# Altium PCB GridSeed_Rev03.PcbDoc (part 2 of 5) (continued)
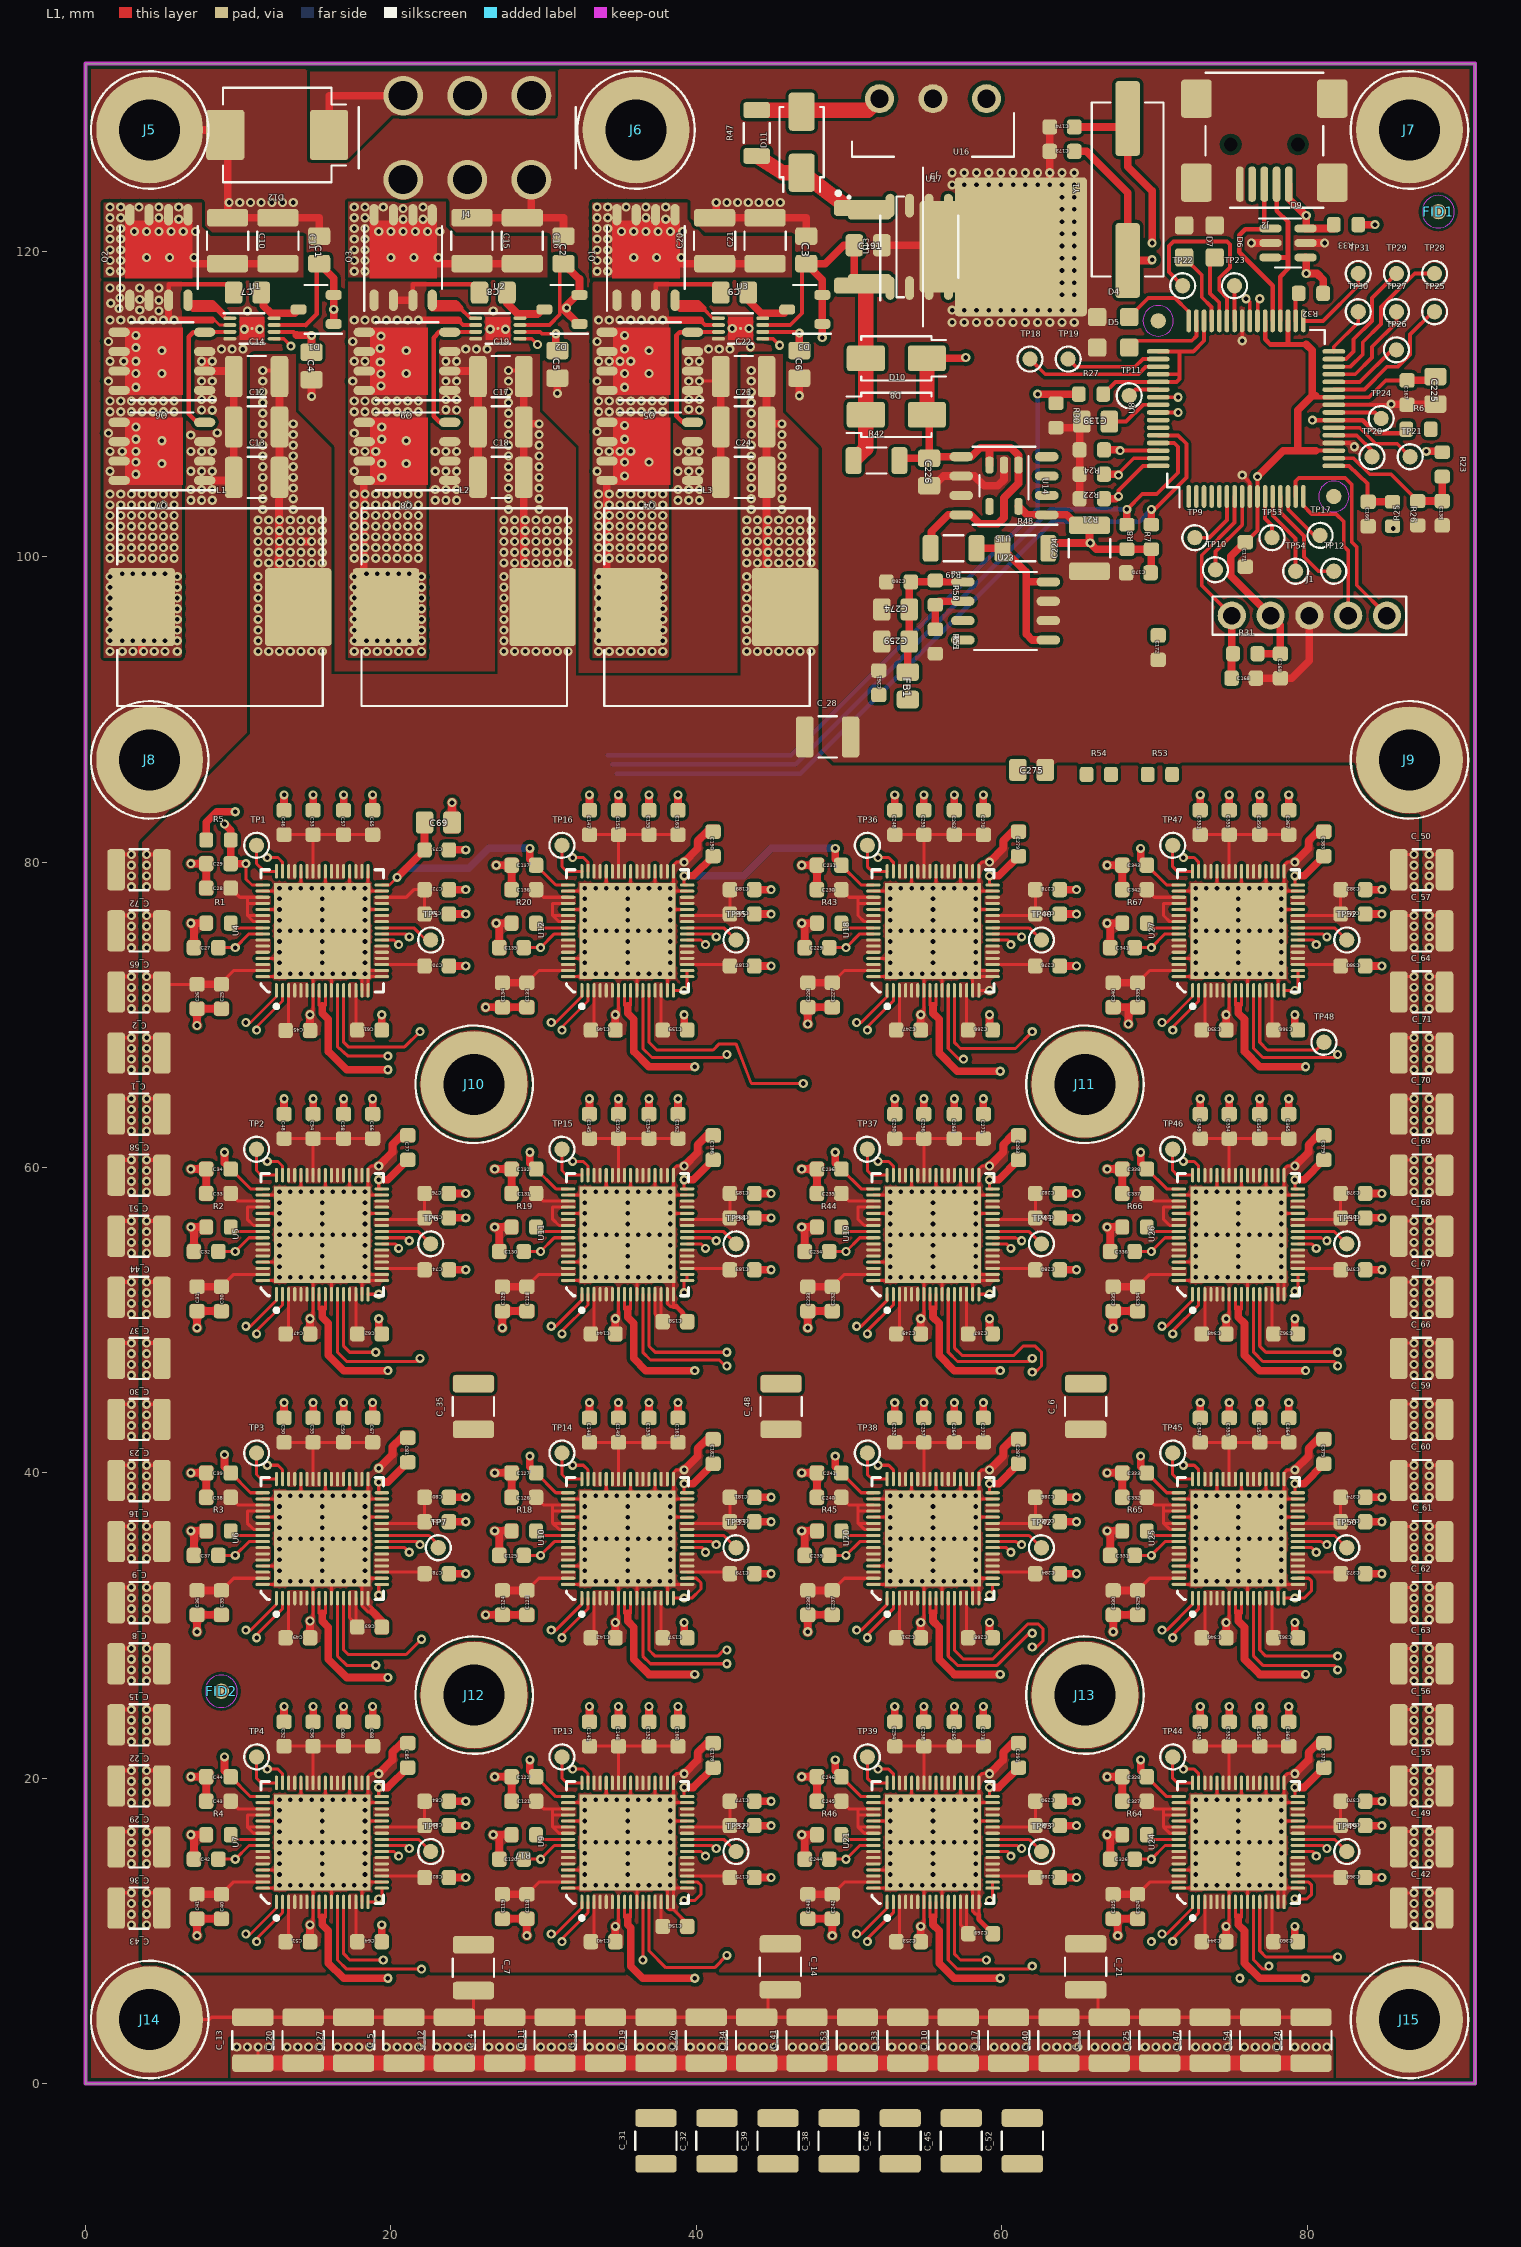
[diagram p0: L1 view]
## Nets (pads, with @x,y where several pads share a name; then routed paths per layer and width w, separated by ;. In a path a pad name is that pad's centre, name@x,y a point inside that pad or via, vN(x,y) a via of type N, cw(c..) or ccw(c..) an arc to the next point about the centre after c; other vN are vias at no path point) (continued)
  L1 w0.2: C_2.1@5,71.927 5.073,72 C26.2@7.3,72 ; C25.2@8.8,72 8.85,72.05 9.7,72.9 U4.63@11.6,72.9 ; C40.2@8.872,12.4 9.672,13.2 U7.63@11.6,13.2 ; C35.2@8.9,32.3 9.7,33.1 U6.63@11.6,33.1 ; C30.2@8.9,52.2 9.7,53 U5.63@11.6,53 ; C43.2@9.5,18.5 10,18 U7.51@11.6,18 ; C38.2@9.5,38.4 10,37.9 U6.51@11.6,37.9 ; C33.2@9.5,58.3 10,57.8 U5.51@11.6,57.8 ; C28.2@9.5,78.3 10.1,77.7 10.591,77.7 ; 10.6,16.8 U7.54@11.6,16.8 ; C_13.1@11.3,1.35 v1(11.3,2.4) ; U7.55@11.6,16.4 11,16.4 10.591,16.809 10.591,17.6 U7.52@11.6,17.6 ; U6.55@11.6,36.3 11,36.3 10.591,36.709 10.591,37.5 U6.52@11.6,37.5 ; U5.55@11.6,56.2 11,56.2 10.591,56.609 10.591,57.4 U5.52@11.6,57.4 ; U4.55@11.6,76.1 11,76.1 10.6,76.5 ; U4.54@11.6,76.5 10.6,76.5 ; U4.52@11.6,77.3 10.591,77.3 ; U4.51@11.6,77.7 10.591,77.7 ; C52.2@13,22.1 C56.2@14.9,22.1 ; C50.2@13,42 C55.2@14.9,42 ; C48.2@13,61.9 C54.2@14.9,61.9 ; C46.2@13,81.8 C53.2@14.9,81.8 ; C51.2@13.1,9.3 13.2,9.3 13.3,9.2 U7.3@13.3,11.9 ; C49.2@13.1,29.2 13.2,29.2 13.3,29.1 U6.3@13.3,31.8 ; C47.2@13.1,49.1 13.2,49.1 13.3,49 U5.3@13.3,51.7 ; C45.2@13.1,68.977 13.3,68.977 U4.3@13.3,71.6 ; U7.42@14.9,19.7 C56.2@14.9,22.1 ; U6.42@14.9,39.6 C55.2@14.9,42 ; U5.42@14.9,59.5 C54.2@14.9,61.9 ; U4.42@14.9,79.4 C53.2@14.9,81.8 ; U6.13@17.3,31.8 17.3,30.5 C63.2@17.7,30.1 ; U7.14@17.7,11.9 17.7,9.3 C64.2@17.8,9.3 ; U6.14@17.7,31.8 C63.2@17.7,30.1 ; U5.14@17.7,51.7 17.7,49.1 C62.2@17.8,49.1 ; U4.14@17.7,71.6 17.7,69 C61.2@17.8,69 ; C63.2@17.8,29.9 17.7,30 C63.2@17.7,30.1 ; C68.2@18.8,22.1 C60.2@16.9,22.1 C56.2@14.9,22.1 ; C67.2@18.8,42 C55.2@14.9,42 ; C66.2@18.8,61.9 C58.2@16.9,61.9 C54.2@14.9,61.9 ; C65.2@18.8,81.8 C57.2@16.9,81.8 C53.2@14.9,81.8 ; U7.19@19.4,13.6 22.1,13.6 C82.2@22.2,13.5 ; U7.27@19.4,16.8 22.2,16.8 C83.2@22.2,16.9 C84.2@22.2,18.5 ; U6.19@19.4,33.5 22.4,33.5 C78.2@22.2,33.4 ; U6.27@19.4,36.7 22.2,36.7 C79.2@22.2,36.8 C80.2@22.2,38.4 ; U5.19@19.4,53.4 22.4,53.4 C74.2@22.2,53.3 ; U5.27@19.4,56.6 22.2,56.6 C75.2@22.2,56.7 C76.2@22.2,58.3 ; U4.19@19.4,73.3 22.4,73.3 C70.2@22.2,73.2 ; U4.30@19.4,77.7 21,77.7 21.5,78.2 C72.2@22.2,78.2 C71.2@22.2,76.6 ; C118.2@28.9,12.4 29.7,13.2 U9.63@31.6,13.2 ; C123.2@28.9,32.3 29.7,33.1 U10.63@31.6,33.1 ; C128.2@28.9,52.2 29.7,53 U11.63@31.6,53 ; C133.2@28.9,72.1 29.7,72.9 U12.63@31.6,72.9 ; C121.2@29.5,18.5 30,18 30.591,18 ; C126.2@29.5,38.4 30,37.9 30.591,37.9 ; C131.2@29.5,58.3 30,57.8 U11.51@31.6,57.8 ; C136.2@29.5,78.2 30,77.7 U12.51@31.6,77.7 ; 30.6,16.8 U9.54@31.6,16.8 ; 30.6,36.7 U10.54@31.6,36.7 ; U9.55@31.6,16.4 31,16.4 30.591,16.809 30.591,17.6 ; U9.52@31.6,17.6 30.591,17.6 ; U9.51@31.6,18 30.591,18 ; U10.55@31.6,36.3 31,36.3 30.591,36.709 30.591,37.5 ; U10.52@31.6,37.5 30.591,37.5 ; U10.51@31.6,37.9 30.591,37.9 ; U11.55@31.6,56.2 31,56.2 30.591,56.609 30.591,57.4 U11.52@31.6,57.4 ; U12.55@31.6,76.1 31,76.1 30.6,76.5 ; U12.54@31.6,76.5 30.6,76.5 ; U12.52@31.6,77.3 30.591,77.3 30.591,76.509 30.6,76.5 ; C141.2@33,22.1 C148.2@34.9,22.1 ; C143.2@33,42 C149.2@34.9,42 ; C145.2@33,61.9 C150.2@34.9,61.9 ; C147.2@33,81.8 C151.2@34.9,81.8 ; C140.2@33.1,9.3 33.2,9.3 33.3,9.2 U9.3@33.3,11.9 ; C142.2@33.1,29.2 33.2,29.2 33.3,29.1 U10.3@33.3,31.8 ; C144.2@33.1,49.1 33.2,49.1 33.3,49 U11.3@33.3,51.7 ; C146.2@33.1,69 33.2,69 33.3,68.9 U12.3@33.3,71.6 ; U9.42@34.9,19.7 C148.2@34.9,22.1 ; U10.42@34.9,39.6 C149.2@34.9,42 ; U11.42@34.9,59.5 C150.2@34.9,61.9 ; U12.42@34.9,79.4 C151.2@34.9,81.8 ; U11.13@37.3,51.7 37.3,50.4 C158.2@37.7,50 ; U9.14@37.7,11.9 37.7,10.296 37.704,10.3 C156.2@37.8,10.3 ; U10.14@37.7,31.8 37.7,29.2 C157.2@37.8,29.2 ; U11.14@37.7,51.7 C158.2@37.7,50 ; U12.14@37.7,71.6 37.7,69 C159.2@37.8,69 ; C158.2@37.8,49.9 C158.2@37.7,50 ; C160.2@38.8,22.1 C152.2@36.9,22.1 C148.2@34.9,22.1 ; C161.2@38.8,42 C149.2@34.9,42 ; C162.2@38.8,61.9 C154.2@36.9,61.9 C150.2@34.9,61.9 ; C163.2@38.8,81.8 C155.2@36.9,81.8 C151.2@34.9,81.8 ; U9.19@39.4,13.6 42.4,13.6 C175.2@42.2,13.5 ; U9.27@39.4,16.8 42.2,16.8 C177.2@42.2,18.5 ; U10.19@39.4,33.5 42.2,33.5 C179.2@42.2,33.4 ; U10.27@39.4,36.7 42.2,36.7 C181.2@42.2,38.4 ; U11.19@39.4,53.4 42.4,53.4 C183.2@42.2,53.3 ; U11.27@39.4,56.6 42.2,56.6 C185.2@42.2,58.3 ; U12.19@39.4,73.3 42.4,73.3 C187.2@42.2,73.2 ; U12.27@39.4,76.5 42.2,76.5 C189.2@42.2,78.2 ; C242.2@48.9,12.4 49.7,13.2 U21.63@51.6,13.2 ; C237.2@48.9,32.3 49.7,33.1 U20.63@51.6,33.1 ; C232.2@48.9,52.2 49.7,53 U19.63@51.6,53 ; C227.2@48.9,72.1 49.7,72.9 U18.63@51.6,72.9 ; C245.2@49.5,18.5 50,18 50.591,18 ; C240.2@49.5,38.4 50,37.9 50.591,37.9 ; C235.2@49.5,58.3 50,57.8 U19.51@51.6,57.8 ; C230.2@49.5,78.2 50,77.7 50.591,77.7 ; U21.55@51.6,16.4 51,16.4 50.6,16.8 ; U21.54@51.6,16.8 50.6,16.8 ; U21.52@51.6,17.6 50.591,17.6 ; U21.51@51.6,18 50.591,18 ; U20.55@51.6,36.3 51,36.3 50.6,36.7 ; U20.54@51.6,36.7 50.6,36.7 ; U20.52@51.6,37.5 50.591,37.5 ; U20.51@51.6,37.9 50.591,37.9 ; U19.55@51.6,56.2 51,56.2 50.591,56.609 50.591,57.4 U19.52@51.6,57.4 ; U18.55@51.6,76.1 51,76.1 50.591,76.509 50.591,77.3 ; U18.52@51.6,77.3 50.591,77.3 ; U18.51@51.6,77.7 50.591,77.7 ; C254.2@53,22.1 C258.2@54.9,22.1 ; C252.2@53,42 C257.2@54.9,42 ; C250.2@53,61.9 C256.2@54.9,61.9 ; C248.2@53,81.8 C255.2@54.9,81.8 ; C253.2@53.1,9.3 53.2,9.3 53.3,9.2 U21.3@53.3,11.9 ; C251.2@53.1,29.2 53.2,29.2 53.3,29.1 U20.3@53.3,31.8 ; C249.2@53.1,49.1 53.2,49.1 53.3,49 U19.3@53.3,51.7 ; C247.2@53.1,69 53.2,69 53.3,68.9 U18.3@53.3,71.6 ; U21.42@54.9,19.7 C258.2@54.9,22.1 ; U20.42@54.9,39.6 C257.2@54.9,42 ; U19.42@54.9,59.5 C256.2@54.9,61.9 ; U18.42@54.9,79.4 C255.2@54.9,81.8 ; U21.13@57.3,11.9 57.3,10.4 C269.2@57.7,10 ; U21.14@57.7,11.9 C269.2@57.7,10 ; U20.14@57.7,31.8 57.7,29.2 C268.2@57.8,29.2 ; U19.14@57.7,51.7 57.7,49.1 C267.2@57.8,49.1 ; U18.14@57.7,71.6 57.7,69 C266.2@57.8,69 ; C269.2@57.824,9.819 57.7,9.819 C269.2@57.7,10 ; C273.2@58.8,22.1 C265.2@56.9,22.1 C258.2@54.9,22.1 ; C272.2@58.8,42 C257.2@54.9,42 ; C271.2@58.8,61.9 C263.2@56.9,61.9 C256.2@54.9,61.9 ; C270.2@58.8,81.8 C262.2@56.9,81.8 C255.2@54.9,81.8 ; U21.19@59.4,13.6 62.4,13.6 C288.2@62.2,13.5 ; U21.27@59.4,16.8 62.2,16.8 C290.2@62.2,18.5 ; U20.19@59.4,33.5 62.4,33.5 C284.2@62.2,33.4 ; U20.27@59.4,36.7 62.2,36.7 C286.2@62.2,38.4 ; U19.19@59.4,53.4 62.4,53.4 C280.2@62.2,53.3 ; U19.27@59.4,56.6 62.2,56.6 C282.2@62.2,58.3 ; U18.19@59.4,73.3 62.4,73.3 C276.2@62.2,73.2 ; U18.27@59.4,76.5 62.2,76.5 C278.2@62.2,78.2 ; C324.2@68.9,12.4 69.7,13.2 U24.63@71.6,13.2 ; C329.2@68.9,32.3 69.7,33.1 U25.63@71.6,33.1 ; C334.2@68.9,52.2 69.7,53 U26.63@71.6,53 ; C339.2@68.9,72.1 69.7,72.9 U27.63@71.6,72.9 ; C327.2@69.5,18.5 70,18 70.591,18 ; C332.2@69.5,38.4 70,37.9 70.591,37.9 ; C337.2@69.5,58.3 70,57.8 U26.51@71.6,57.8 ; C342.2@69.5,78.2 70,77.7 U27.51@71.6,77.7 ; U24.55@71.6,16.4 71,16.4 70.6,16.8 ; U24.54@71.6,16.8 70.6,16.8 ; U24.52@71.6,17.6 70.591,17.6 ; U24.51@71.6,18 70.591,18 ; U25.55@71.6,36.3 71,36.3 70.6,36.7 ; U25.54@71.6,36.7 70.6,36.7 ; U25.52@71.6,37.5 70.591,37.5 ; U25.51@71.6,37.9 70.591,37.9 ; U26.55@71.6,56.2 71,56.2 70.591,56.609 70.591,57.4 U26.52@71.6,57.4 ; U27.55@71.6,76.1 71,76.1 70.591,76.509 70.591,77.3 U27.52@71.6,77.3 ; C345.2@73,22.1 C352.2@74.9,22.1 ; C347.2@73,42 C353.2@74.9,42 ; C349.2@73,61.9 C354.2@74.9,61.9 ; C351.2@73,81.8 C355.2@74.9,81.8 ; C344.2@73.1,9.3 73.2,9.3 73.3,9.2 U24.3@73.3,11.9 ; C346.2@73.1,29.2 73.2,29.2 73.3,29.1 U25.3@73.3,31.8 ; C348.2@73.1,49.1 73.2,49.1 73.3,49 U26.3@73.3,51.7 ; C350.2@73.1,69 73.2,69 73.3,68.9 U27.3@73.3,71.6 ; U24.42@74.9,19.7 C352.2@74.9,22.1 ; U25.42@74.9,39.6 C353.2@74.9,42 ; U26.42@74.9,59.5 C354.2@74.9,61.9 ; U27.42@74.9,79.4 C355.2@74.9,81.8 ; U24.14@77.7,11.9 77.7,9.3 C360.2@77.8,9.3 ; U25.14@77.7,31.8 77.7,29.2 C361.2@77.8,29.2 ; U26.14@77.7,51.7 77.7,49.1 C362.2@77.8,49.1 ; U27.14@77.7,71.6 77.7,69 C366.2@77.8,69 ; C363.2@78.8,22.1 C356.2@76.9,22.1 C352.2@74.9,22.1 ; C364.2@78.8,42 C353.2@74.9,42 ; C365.2@78.8,61.9 C358.2@76.9,61.9 C354.2@74.9,61.9 ; C367.2@78.8,81.8 C359.2@76.9,81.8 C355.2@74.9,81.8 ; U24.19@79.4,13.6 82.4,13.6 C368.2@82.2,13.5 ; U24.27@79.4,16.8 82.2,16.8 C369.2@82.2,16.9 C370.2@82.2,18.5 ; U25.19@79.4,33.5 82.1,33.5 C372.2@82.2,33.4 ; U25.27@79.4,36.7 82.2,36.7 C373.2@82.2,36.8 C374.2@82.2,38.4 ; U26.19@79.4,53.4 82.4,53.4 C376.2@82.2,53.3 ; U26.27@79.4,56.6 82.2,56.6 C377.2@82.2,56.7 C378.2@82.2,58.3 ; U27.19@79.4,73.3 82.4,73.3 C380.2@82.2,73.2 ; U27.27@79.4,76.5 82.2,76.5 C381.2@82.2,76.6 C382.2@82.2,78.2 ; C_42.1@86,11.5 86,12.5 v1(87,12.5) ; C_49.1@86,15.5 86,16.5 v1(87,16.5) ; C_55.1@86,19.5 86,20.5 v1(87,20.5) ; C_56.1@86,23.5 86,24.5 v1(87,24.5) ; C_63.1@86,27.5 86,28.5 v1(87,28.5) ; C_62.1@86,31.5 86,32.5 v1(87,32.5) ; C_61.1@86,35.5 86,36.5 v1(87,36.5) ; C_60.1@86,39.5 86,40.5 v1(87,40.5) ; C_59.1@86,43.5 86,44.5 v1(87,44.5) ; C_66.1@86,47.5 86,48.5 v1(87,48.5) ; C_67.1@86,51.5 86,52.5 v1(87,52.5) ; C_68.1@86,55.5 86,56.5 v1(87,56.5) ; C_69.1@86,59.5 86,60.5 v1(87,60.5) ; C_70.1@86,63.5 86,64.5 v1(87,64.5) ; C_71.1@86,67.5 86,68.5 v1(87,68.5) ; C_64.1@86,71.5 86,72.5 v1(87,72.5) ; C_57.1@86,75.5 86,76.5 v1(87,76.5) ; C_50.1@86,79.5 86,80.5 v1(87,80.5) ; 10.591,77.3 10.591,77.7 ; 10.591,77.3 10.591,76.509 10.6,76.5 ; 30.591,17.6 30.591,18 ; 30.591,37.5 30.591,37.9 ; 50.591,17.6 50.591,18 ; 50.591,17.6 50.591,16.809 50.6,16.8 ; 50.591,37.5 50.591,37.9 ; 50.591,37.5 50.591,36.709 50.6,36.7 ; 50.591,77.3 50.591,77.7 ; 70.591,17.6 70.591,18 ; 70.591,17.6 70.591,16.809 70.6,16.8 ; 70.591,37.5 70.591,37.9 ; 70.591,37.5 70.591,36.709 70.6,36.7
  L1 w0.25: v1(4,12.5) 5,12.5 C_43.1@5,11.5 ; v1(4,16.5) 5,16.5 C_36.1@5,15.5 ; v1(4,20.5) 5,20.5 C_29.1@5,19.5 ; v1(4,24.5) 5,24.5 C_22.1@5,23.5 ; v1(4,28.5) 5,28.5 C_15.1@5,27.5 ; v1(4,32.5) 5,32.5 C_8.1@5,31.5 ; v1(4,36.5) 5,36.5 C_9.1@5,35.5 ; v1(4,40.5) 5,40.5 C_16.1@5,39.5 ; v1(4,44.5) 5,44.5 C_23.1@5,43.5 ; v1(4,48.5) 5,48.5 C_30.1@5,47.5 ; v1(4,52.5) 5,52.5 C_37.1@5,51.5 ; v1(4,56.5) 5,56.5 C_44.1@5,55.5 ; v1(4,60.5) 5,60.5 C_51.1@5,59.5 ; v1(4,64.5) 5,64.5 C_58.1@5,63.5 ; v1(4,68.5) 5,68.5 C_1.1@5,67.5 ; v1(4,72.5) 5,72.5 5,71.927 C_2.1@5,71.5 ; v1(4,76.5) 5,76.5 C_65.1@5,75.5 ; v1(4,80.5) 5,80.5 C_72.1@5,79.5 ; v1(11.6,112.2) C14.2@12.6,112.2 ; v1(27.7,112.2) 28.7,112.2 C19.2@28.7,111.8
  L1 w0.5: C41.2@7.3,12.4 8.872,12.4 C40.2@8.9,12.4 ; C36.2@7.3,32.3 C35.2@8.9,32.3 ; C31.2@7.3,52.2 C30.2@8.9,52.2 ; C26.2@7.3,72 8.8,72 C25.2@8.9,72 ; C14.2@12.6,112.2 C14.2@12.7,111.8 C13.2@12.7,105.2 12.667,102.4 12.659,101.7 12.651,101.001 12.642,100.301 12.634,99.601 12.6,96.716 12.6,96.7 L1.2@13.925,96.7 ; v1(14.1,101) v1(14.8,101) ; C119.2@27.3,12.4 C118.2@28.9,12.4 ; C124.2@27.3,32.3 C123.2@28.9,32.3 ; C129.2@27.3,52.2 C128.2@28.9,52.2 ; C134.2@27.3,72.1 C133.2@28.9,72.1 ; C19.2@28.7,111.8 C17.2@28.7,108.7 ; v1(29.7,108.7) C17.2@28.7,108.7 ; L2.2@29.925,96.7 29.825,96.8 28.7,96.8 28.7,99.6 28.7,102.4 C18.2@28.7,105.2 C17.2@28.7,108.5 C17.2@28.7,108.7 ; C22.2@44.6,111.8 C23.2@44.6,108.7 ; v1(45.6,108.7) C23.2@44.6,108.7 ; L3.2@45.825,96.7 44.6,96.7 44.6,100.3 44.6,101.7 C24.2@44.6,105.2 C23.2@44.6,108.5 C23.2@44.6,108.7 ; C243.2@47.3,12.4 C242.2@48.9,12.4 ; C238.2@47.3,32.3 C237.2@48.9,32.3 ; C233.2@47.3,52.2 C232.2@48.9,52.2 ; C228.2@47.3,72.1 C227.2@48.9,72.1 ; C325.2@67.3,12.4 C324.2@68.9,12.4 ; C330.2@67.3,32.3 C329.2@68.9,32.3 ; C335.2@67.3,52.2 C334.2@68.9,52.2 ; C340.2@67.3,72.1 C339.2@68.9,72.1 ; R26.2@85.6,102 85.6,101.9 v1(85.65,101.85)
  L1 w1: C_13.1@10.95,1.35 11.3,1.35 C_20.1@14.25,1.35 C_27.1@17.55,1.35 C_5.1@20.85,1.35 C_12.1@24.15,1.35 C_4.1@27.45,1.35 C_11.1@30.75,1.35 C_3.1@34.05,1.35 C_19.1@37.35,1.35 C_26.1@40.65,1.35 C_34.1@43.95,1.35 C_41.1@47.25,1.35 C_53.1@50.55,1.35 C_33.1@53.85,1.35 C_10.1@57.15,1.35 C_17.1@60.45,1.35 C_40.1@63.75,1.35 C_18.1@67.05,1.35 C_25.1@70.35,1.35 C_47.1@73.65,1.35 C_54.1@76.95,1.35 C_24.1@80.25,1.35
  L2 w0.6: v1(11.6,103.1) v1(11.6,103.8) v1(11.6,104.5) v1(11.6,105.2) v1(11.6,105.9) v1(11.6,106.6) v1(11.6,107.3) v1(11.6,108) v1(11.6,108.7) v1(11.6,109.4) v1(11.6,110.1) v1(11.6,110.8) v1(11.6,111.5) v1(11.6,112.2) ; v1(13.6,103.1) v1(13.6,103.8) v1(13.6,104.5) v1(13.6,105.2) v1(13.6,105.9) v1(13.6,106.6) v1(13.6,107.3) v1(13.6,108) v1(13.6,108.7) ; v1(27.7,103.1) v1(27.7,103.8) v1(27.7,104.5) v1(27.7,105.2) v1(27.7,105.9) v1(27.7,106.6) v1(27.7,107.3) v1(27.7,108) v1(27.7,108.7) v1(27.7,109.4) v1(27.7,110.1) v1(27.7,110.8) v1(27.7,111.5) v1(27.7,112.2) ; v1(29.7,103.1) v1(29.7,103.8) v1(29.7,104.5) v1(29.7,105.2) v1(29.7,105.9) v1(29.7,106.6) v1(29.7,107.3) v1(29.7,108) v1(29.7,108.7) ; v1(43.6,103.1) v1(43.6,103.8) v1(43.6,104.5) v1(43.6,105.2) v1(43.6,105.9) v1(43.6,106.6) v1(43.6,107.3) v1(43.6,108) v1(43.6,108.7) v1(43.6,109.4) v1(43.6,110.1) v1(43.6,110.8) v1(43.6,111.5) v1(43.6,112.2) ; v1(45.6,103.1) v1(45.6,103.8) v1(45.6,104.5) v1(45.6,105.2) v1(45.6,105.9) v1(45.6,106.6) v1(45.6,107.3) v1(45.6,108) v1(45.6,108.7)
  other v1: 9.9,2.4 10.6,2.4 12,2.4 13.2,2.4 13.9,2.4 14.6,2.4 15.3,2.4 16.5,2.4 17.2,2.4 17.9,2.4 18.6,2.4 19.7,2.4 20.4,2.4 21.1,2.4 21.8,2.4 23,2.4 23.7,2.4 24.4,2.4 25.1,2.4 26.4,2.4 27.1,2.4 27.8,2.4 28.5,2.4 29.8,2.4 30.5,2.4 31.2,2.4 31.9,2.4 33,2.4 33.7,2.4 34.4,2.4 35.1,2.4 36.3,2.4 37,2.4 37.7,2.4 38.4,2.4 39.6,2.4 40.3,2.4 41,2.4 41.7,2.4 43,2.4 43.7,2.4 44.4,2.4 45.1,2.4 46.3,2.4 47,2.4 47.7,2.4 48.4,2.4 49.6,2.4 50.3,2.4 51,2.4 51.7,2.4 52.8,2.4 53.5,2.4 54.2,2.4 54.9,2.4 56.1,2.4 56.8,2.4 57.5,2.4 58.2,2.4 59.5,2.4 60.2,2.4 60.9,2.4 61.6,2.4 62.9,2.4 63.6,2.4 64.3,2.4 65,2.4 66.1,2.4 66.8,2.4 67.5,2.4 68.2,2.4 69.4,2.4 70.1,2.4 70.8,2.4 71.5,2.4 72.7,2.4 73.4,2.4 74.1,2.4 74.8,2.4 75.9,2.4 76.6,2.4 77.3,2.4 78,2.4 79.2,2.4 79.9,2.4 80.6,2.4 81.3,2.4 4,10.4 87,10.4 4,11.1 87,11.1 4,11.8 87,11.8 4,14.4 87,14.4 4,15.1 87,15.1 4,15.8 87,15.8 4,18.4 87,18.4 4,19.1 87,19.1 4,19.8 87,19.8 4,22.4 87,22.4 4,23.1 87,23.1 4,23.8 87,23.8 4,26.4 87,26.4 4,27.1 87,27.1 4,27.8 87,27.8 4,30.4 87,30.4 4,31.1 87,31.1 4,31.8 87,31.8 4,34.4 87,34.4 4,35.1 87,35.1 4,35.8 87,35.8 4,38.4 87,38.4 4,39.1 87,39.1 4,39.8 87,39.8 4,42.4 87,42.4 4,43.1 87,43.1 4,43.8 87,43.8 4,46.4 87,46.4 4,47.1 87,47.1 4,47.8 87,47.8 4,50.4 87,50.4 4,51.1 87,51.1 4,51.8 87,51.8 4,54.4 87,54.4 4,55.1 87,55.1 4,55.8 87,55.8 4,58.4 87,58.4 4,59.1 87,59.1 4,59.8 87,59.8 4,62.4 87,62.4 4,63.1 87,63.1 4,63.8 87,63.8 4,66.4 87,66.4 4,67.1 87,67.1 4,67.8 87,67.8 4,70.4 87,70.4 4,71.1 87,71.1 4,71.8 87,71.8 4,74.4 87,74.4 4,75.1 87,75.1 4,75.8 87,75.8 4,78.4 87,78.4 4,79.1 87,79.1 4,79.8 87,79.8 11.3,93.8 12,93.8 12.7,93.8 13.4,93.8 14.1,93.8 14.8,93.8 15.5,93.8 27.4,93.8 28.1,93.8 28.8,93.8 29.5,93.8 30.2,93.8 30.9,93.8 31.6,93.8 43.3,93.8 44,93.8 44.7,93.8 45.4,93.8 46.1,93.8 46.8,93.8 47.5,93.8 11.3,94.5 27.4,94.5 43.3,94.5 11.3,95.2 27.4,95.2 43.3,95.2 11.3,95.9 27.4,95.9 43.3,95.9 11.3,96.6 27.4,96.6 43.3,96.6 11.3,97.3 27.4,97.3 43.3,97.3 11.3,98 27.4,98 43.3,98 11.3,98.7 27.4,98.7 43.3,98.7 11.3,99.6 12,99.6 12.7,99.6 13.4,99.6 14.1,99.6 14.8,99.6 15.5,99.6 27.4,99.6 28.1,99.6 28.8,99.6 29.5,99.6 30.2,99.6 30.9,99.6 31.6,99.6 43.3,99.6 44,99.6 44.7,99.6 45.4,99.6 46.1,99.6 46.8,99.6 47.5,99.6 11.3,100.3 12,100.3 12.7,100.3 13.4,100.3 14.1,100.3 14.8,100.3 15.5,100.3 27.4,100.3 28.1,100.3 28.8,100.3 29.5,100.3 30.2,100.3 30.9,100.3 31.6,100.3 43.3,100.3 44,100.3 44.7,100.3 45.4,100.3 46.1,100.3 46.8,100.3 47.5,100.3 11.3,101 12,101 12.7,101 13.4,101 15.5,101 27.4,101 28.1,101 28.8,101 29.5,101 30.2,101 30.9,101 31.6,101 43.3,101 44,101 44.7,101 45.4,101 46.1,101 46.8,101 47.5,101 11.3,101.7 12,101.7 12.7,101.7 13.4,101.7 14.1,101.7 14.8,101.7 15.5,101.7 27.4,101.7 28.1,101.7 28.8,101.7 29.5,101.7 30.2,101.7 30.9,101.7 31.6,101.7 43.3,101.7 44,101.7 44.7,101.7 45.4,101.7 46.1,101.7 46.8,101.7 47.5,101.7 11.3,102.4 12,102.4 12.7,102.4 13.4,102.4 14.1,102.4 14.8,102.4 15.5,102.4 27.4,102.4 28.1,102.4 28.8,102.4 29.5,102.4 30.2,102.4 30.9,102.4 31.6,102.4 43.3,102.4 44,102.4 44.7,102.4 45.4,102.4 46.1,102.4 46.8,102.4 47.5,102.4
3.3V: C29.2 C34.2 C39.2 C44.2 C69.1 C73.2 C77.2 C81.2 C85.2 C122.2 C127.2 C132.2 C137.2 C167.1 C169.1 C170.1 C171.1 C172.1 C178.2 C182.2 C186.2 C190.2 C224.2 C225.1 C231.2 C236.2 C241.2 C246.2 C275.1 C279.2 C283.2 C287.2 C291.2 C328.2 C333.2 C338.2 C343.2 C371.2 C375.2 C379.2 C383.2 J1.2 R5.2 R6.2 R7.2 R8.1 R31.2 R48.2 R53.2 R54.1 U4.32 U4.49 U5.16 U5.32 U5.49 U6.17 U6.32 U6.49 U7.16 U7.17 U7.32 U7.49 U8.10 U8.19 U8.26 U8.35 U8.38 U8.57 U9.18 U9.32 U9.49 U10.16 U10.18 U10.32 U10.49 U11.17 U11.18 U11.32 U11.49 U12.16 U12.17 U12.18 U12.32 U12.49 U14.5 U15.1 U18.32 U18.49 U19.16 U19.32 U19.49 U20.17 U20.32 U20.49 U21.17 U21.18 U21.32 U21.49 U24.18 U24.32 U24.49 U25.16 U25.18 U25.32 U25.49 U26.17 U26.18 U26.32 U26.49 U27.16 U27.17 U27.18 U27.32 U27.49 | length 752.9
  L1 w0.2: C44.2@9.5,20.1 10.8,18.8 U7.49@11.6,18.8 ; C39.2@9.5,40 10.8,38.7 U6.49@11.6,38.7 ; C34.2@9.5,59.9 10.8,58.6 U5.49@11.6,58.6 ; v1(10.5,79.9) 10.5,78.9 10.9,78.5 U4.49@11.6,78.5 ; U7.16@18.5,11.9 19,11.9 v1(19.2,12.1) 19.4,12.3 U7.17@19.4,12.8 ; U5.16@18.5,51.7 v1(19.2,51.7) ; v1(19.2,19.4) 19.2,18.8 U7.32@19.4,18.8 ; v1(19.2,32) 19.2,32.7 U6.17@19.4,32.7 ; v1(19.2,39.4) 19.2,38.7 U6.32@19.4,38.7 ; v1(19.2,59.2) 19.2,58.6 U5.32@19.4,58.6 ; U4.32@19.4,78.5 19.9,78.5 v1(20.4,79) ; C122.2@29.5,20.1 30.8,18.8 U9.49@31.6,18.8 ; C127.2@29.5,40 30.8,38.7 U10.49@31.6,38.7 ; C132.2@29.5,59.9 30.8,58.6 U11.49@31.6,58.6 ; C137.2@29.5,79.8 30.8,78.5 U12.49@31.6,78.5 ; U10.16@38.5,31.8 v1(39.2,31.8) 39.7,31.8 40.3,32.4 40.3,32.8 40,33.1 U10.18@39.4,33.1 ; U12.16@38.5,71.6 v1(39.2,71.6) 39.4,71.8 U12.17@39.4,72.5 U12.18@39.4,72.9 ; v1(39.2,12) 39.9,12 40.3,12.4 40.3,13 40.1,13.2 U9.18@39.4,13.2 ; v1(39.2,19.4) 39.2,18.8 U9.32@39.4,18.8 ; v1(39.2,39.3) 39.2,38.7 U10.32@39.4,38.7 ; v1(39.2,51.8) 39.2,52.6 U11.17@39.4,52.6 U11.18@39.4,53 ; v1(39.2,59.2) 39.2,58.6 U11.32@39.4,58.6 ; v1(39.2,79.1) 39.2,78.5 U12.32@39.4,78.5 ; C246.2@49.5,20.1 50.8,18.8 U21.49@51.6,18.8 ; C241.2@49.5,40 50.8,38.7 U20.49@51.6,38.7 ; C236.2@49.5,59.9 50.8,58.6 U19.49@51.6,58.6 ; C231.2@49.5,79.8 50.8,78.5 U18.49@51.6,78.5 ; U19.16@58.5,51.7 v1(59.2,51.7) ; v1(59.2,12) 59.4,12.2 U21.17@59.4,12.8 U21.18@59.4,13.2 ; v1(59.2,19.4) 59.2,18.8 U21.32@59.4,18.8 ; v1(59.2,32) 59.4,32.2 U20.17@59.4,32.7 ; v1(59.2,39.3) 59.2,38.7 U20.32@59.4,38.7 ; v1(59.2,59.2) 59.2,58.6 U19.32@59.4,58.6 ; v1(59.2,79.1) 59.2,78.5 U18.32@59.4,78.5 ; C328.2@69.5,20.1 70.8,18.8 U24.49@71.6,18.8 ; C333.2@69.5,40 70.8,38.7 U25.49@71.6,38.7 ; C338.2@69.5,59.9 70.8,58.6 U26.49@71.6,58.6 ; C343.2@69.5,79.8 70.8,78.5 U27.49@71.6,78.5 ; U25.16@78.5,31.8 v1(79.2,31.8) 79.8,31.8 80.3,32.3 80.3,32.9 80.1,33.1 U25.18@79.4,33.1 ; U27.16@78.5,71.6 v1(79.2,71.6) 79.4,71.8 U27.17@79.4,72.5 U27.18@79.4,72.9 ; v1(79.2,12.1) 80,12.1 80.3,12.4 80.3,13 80.1,13.2 U24.18@79.4,13.2 ; v1(79.2,19.4) 79.2,18.8 U24.32@79.4,18.8 ; v1(79.2,39.3) 79.2,38.7 U25.32@79.4,38.7 ; v1(79.2,51.9) 79.4,52.1 U26.17@79.4,52.6 U26.18@79.4,53 ; v1(79.2,59.2) 79.2,58.6 U26.32@79.4,58.6 ; v1(79.2,79.1) 79.2,78.5 U27.32@79.4,78.5
  L1 w0.25: U8.57@70.25,109.45 v1(71.55,109.45) ; C171.1@75.95,100.95 75.975,100.95 76.75,101.725 v1(76.75,105.25) ; 80.55,106.95 U8.19@81.75,106.95 ; U8.26@81.75,110.45 84.05,110.45 85.15,111.55 C167.1@86.55,111.55
  L1 w0.3: U8.38@77.25,115.45 77.25,114.25 77.6,113.9 78.75,113.9 ; U8.35@78.75,115.45 78.75,113.9 ; 79.95,113.9 78.75,113.9 ; 80.564,110.536 80.65,110.45 U8.26@81.75,110.45
  L1 w0.5: v1(9.1,21.4) 9.1,20.5 C44.2@9.5,20.1 ; v1(9.1,41.2) 9.1,40.4 C39.2@9.5,40 ; v1(9.1,61) 9.1,60.3 C34.2@9.5,59.9 ; v1(9.1,82.5) 9.5,82.1 R5.2@9.5,81.45 C29.2@9.5,79.9 v1(10.5,79.9) ; v1(19.2,19.4) 19.8,19.4 C85.2@21.1,20.7 ; v1(19.2,39.4) 19.8,39.4 C81.2@21.1,40.7 ; v1(19.2,59.2) 19.8,59.2 C77.2@21.1,60.5 ; v1(20.4,79) C73.2@22.2,80.8 C69.1@22.2,82.6 ; v1(29.1,21.2) 29.1,20.5 C122.2@29.5,20.1 ; v1(29.1,41.1) 29.1,40.4 C127.2@29.5,40 ; v1(29.1,61) 29.1,60.3 C132.2@29.5,59.9 ; v1(29.1,80.9) 29.1,80.2 C137.2@29.5,79.8 ; v1(39.2,19.4) 39.8,19.4 C178.2@41.1,20.7 ; v1(39.2,39.3) 39.8,39.3 C182.2@41.1,40.6 ; v1(39.2,59.2) 39.8,59.2 C186.2@41.1,60.5 ; v1(39.2,79.1) 39.8,79.1 C190.2@41.1,80.4 ; v1(49.1,21.2) 49.1,20.5 C246.2@49.5,20.1 ; v1(49.1,41.1) 49.1,40.4 C241.2@49.5,40 ; v1(49.1,61) 49.1,60.3 C236.2@49.5,59.9 ; v1(49.1,80.9) 49.1,80.2 C231.2@49.5,79.8 ; v1(59.2,19.4) 59.8,19.4 C291.2@61.1,20.7 ; v1(59.2,39.3) 59.8,39.3 C287.2@61.1,40.6 ; v1(59.2,59.2) 59.8,59.2 C283.2@61.1,60.5 ; v1(59.2,79.1) 59.8,79.1 C279.2@61.1,80.4 ; U14.5@61.1,103.3 61.655,102.745 U15.1@62.95,102.745 64.245,102.745 64.25,102.75 64.95,102.05 C224.2@65.75,102.05 v1@65.75,100.9 ; R48.2@63.05,100.55 63.4,100.9 v1@65.75,100.9 ; v1(69.1,21.2) 69.1,20.5 C328.2@69.5,20.1 ; v1(69.1,41.1) 69.1,40.4 C333.2@69.5,40 ; v1(69.1,61) 69.1,60.3 C338.2@69.5,59.9 ; v1(69.1,80.9) 69.1,80.2 C343.2@69.5,79.8 ; C170.1@69.75,98.95 69.8,99 R8.1@69.8,100.5 R7.2@68.2,100.5 66.2,100.5 v1(65.8,100.9) v1@65.75,100.9 ; C171.1@75.95,100.95 75.925,100.95 75,100.025 75,98.76 J1.2@77.61,96.15 78.25,95.51 C169.1@78.25,93.65 R31.2@76.75,93.65 ; v1(76.75,105.25) 78.45,106.95 79.4,106.95 ; v1(79.2,19.4) 79.8,19.4 C371.2@81.1,20.7 ; v1(79.2,39.3) 79.8,39.3 C375.2@81.1,40.6 ; v1(79.2,59.2) 79.8,59.2 C379.2@81.1,60.5 ; v1(79.2,79.1) 79.8,79.1 C383.2@81.1,80.4 ; 79.95,113.9 80.336,113.514 80.336,110.536 ; 80.55,106.95 79.4,106.95 ; 80.564,110.536 80.336,110.536 ; C167.1@86.55,111.55 87.8,111.55 C225.1@88.4,111.8 ; 79.4,106.95 79.4,109.6 80.336,110.536
  L2 w0.3: v1(9.1,21.4) v1(9.1,41.2) v1(9.1,61) v1(9.1,82.5) ; v1(29.1,21.2) v1(29.1,41.1) v1(29.1,61) v1(29.1,80.9) ; v1(49.1,21.2) v1(49.1,41.1) v1(49.1,61) v1(49.1,80.9) ; v1(69.1,21.2) v1(69.1,41.1) v1(69.1,61) v1(69.1,80.9)
  L3 w0.25: v1(65.8,100.9) 66.825,101.925 67.975,101.925 68.95,102.9 68.95,104.05 69.3,104.4 69.3,108.5 70.25,109.45 v1(71.55,109.45)
  L3 w0.3: v1(9.1,21.4) 11.1,19.4 v1(19.2,19.4) v1(19.2,12.1) ; v1(9.1,41.2) 10.9,39.4 v1(19.2,39.4) v1(19.2,32) ; v1(9.1,61) 10.9,59.2 v1(19.2,59.2) v1(19.2,51.7) ; v1(29.1,21.2) 30.9,19.4 v1(39.2,19.4) v1(39.2,12) ; v1(29.1,41.1) 30.9,39.3 v1(39.2,39.3) v1(39.2,31.8) ; v1(29.1,61) 30.9,59.2 v1(39.2,59.2) v1(39.2,51.8) ; v1(29.1,80.9) 30.8,79.2 39.1,79.2 v1(39.2,79.1) v1(39.2,71.6) ; v1(49.1,21.2) 50.9,19.4 v1(59.2,19.4) v1(59.2,12) ; v1(49.1,41.1) 50.9,39.3 v1(59.2,39.3) v1(59.2,32) ; v1(49.1,61) 50.9,59.2 v1(59.2,59.2) v1(59.2,51.7) ; v1(49.1,80.9) 50.9,79.1 v1(59.2,79.1) ; v1(69.1,21.2) 70.9,19.4 v1(79.2,19.4) v1(79.2,12.1) ; v1(69.1,41.1) 70.9,39.3 v1(79.2,39.3) v1(79.2,31.8) ; v1(69.1,61) 70.9,59.2 v1(79.2,59.2) v1(79.2,51.9) ; v1(69.1,80.9) 70.9,79.1 v1(79.2,79.1) v1(79.2,71.6)
  L3 w0.5: v1(10.5,79.9) 11,79.4 20,79.4 v1(20.4,79)
  L4 w0.5: v1(20.4,79) 21,79.6 25.1,79.6 26.4,80.9 v1(29.1,80.9) ; v1(39.2,79.1) 43.1,79.1 44.9,80.9 v1(49.1,80.9)
5.0V: C1.2 C2.2 C3.2 C191.1 D1.1 D1.2 D2.1 D2.2 D3.1 D3.2 D8.2 D10.1 J3.1 R42.1 U1.7 U2.7 U3.7 U13.1 U16.3 U17.3 | length 91.9
  L1 w0.25: U1.7@12.35,115.175 14.425,115.175 ; C1.2@15.15,119.2 C1.2@15.3,119.2 ; U2.7@28.45,115.175 30.375,115.175 31.05,115.85 31.05,119.05 31.15,119.05 C2.2@31.3,119.2 ; U3.7@44.35,115.175 46.15,115.175 46.925,115.95 46.925,118.95 46.95,118.95 C3.2@47.2,119.2 ; U17.3@51.35,118.01 51.3,117.76 51.1,117.76 U16.3@50.9,117.76 51.1,117.756 51.345,117.751 52.567,117.727 U13.1@52.695,117.6
  L1 w0.3: 14.425,115.175 15.15,115.9 C1.2@15.15,119.2
  L1 w0.5: C1.2@15.3,119.2 16.25,118.25 v1(16.25,116.2) D1.1@16.25,115.25 ; C2.2@31.3,119.2 32.3,118.2 32.35,118.2 D2.2@32.35,117.15 32.21,117.15 31.43,116.37 v1(31.5,116.3) 31.36,116.16 32.269,115.25 D2.1@32.35,115.25 ; v1(48.25,114.35) D3.1@48.25,115.25 D3.2@48.25,117.15 48.25,118.15 C3.2@47.2,119.2 48.45,119.2 49.65,120.4 C191.1@50.35,120.4 50.35,117.76 U16.3@50.9,117.76 51.15,118.01 U17.3@51.35,118.01 ; U16.3@51.3,117.76 52.535,117.76 U16.3@52.567,117.727
  L1 w1: R42.1@50.3,106.3 51.05,107.05 51.1,107.05 D8.2@51.1,113 51.1,117.756 U16.3@51.1,117.76
  L3 w0.25: v1(16.25,116.2) 17.45,117.4 30.4,117.4 v1(31.5,116.3) 32.55,117.35 45.25,117.35 v1(48.25,114.35)